# Allegro board SG2042_EVB_V2_0.brd (continued)
## Routing (per net, layer and track width the routed paths; a pad name or vN(x,y) marks a point on that pad's centre or on a via; arc(x,y) is an arc through that point) (continued)
DDR2_DQS3_N: length 66.7
  TOP w0.173: U1.AR7 v1(94.75,214.05)
  ART05 w0.112: v1(94.75,214.05) 95.23,214.05 95.34,214.16 95.34,214.33 95.23,214.44 86.1,214.44 85.72,214.82 85.7,214.82
  ART05 w0.117: 85.7,214.82 77.77,222.75 77.77,237.86 67.09,248.55 66.23,248.55 arc(65.8,248.64) 65.43,248.88 65.24,249.08 arc(64.88,249.32) 64.45,249.4 64.42,249.4 arc(64,249.32) 63.64,249.08 63.51,248.95 arc(63.07,248.66) 62.55,248.55 62.52,248.55 arc(62,248.66) 61.56,248.95 61.46,249.05 arc(61.07,249.31) 60.62,249.4 59.74,249.4 arc(59.3,249.31) 58.92,249.06 58.84,248.98 arc(58.39,248.68) 57.85,248.57 56.87,248.57 arc(56.39,248.67) 55.97,248.94 55.67,249.25 arc(55.56,249.38) 55.48,249.54 J3.185
DDR2_DQS3_P: length 66.6
  TOP w0.173: U1.AR8 v1(95.75,214.05)
  ART05 w0.112: v1(95.75,214.05) 95.57,214.23 95.57,214.42 95.33,214.66 86.19,214.66 85.87,214.98 85.87,215
  ART05 w0.117: 85.87,215 78.02,222.85 78.02,237.97 67.19,248.8 66.23,248.8 arc(65.89,248.86) 65.6,249.06 65.41,249.25 arc(64.97,249.54) 64.45,249.65 64.42,249.65 arc(63.9,249.54) 63.46,249.25 63.34,249.12 arc(62.98,248.88) 62.55,248.8 62.52,248.8 arc(62.1,248.88) 61.74,249.12 61.63,249.23 arc(61.17,249.54) 60.62,249.65 59.74,249.65 arc(59.21,249.54) 58.75,249.24 58.67,249.15 arc(58.29,248.9) 57.85,248.81 56.87,248.81 arc(56.48,248.89) 56.15,249.11 55.85,249.41 arc(55.79,249.53) 55.81,249.67 55.86,249.76 arc(56,249.87) 56.17,249.85 J3.186
DDR2_DQS4_N: length 38.5
  TOP w0.173: U1.BK1 v1(88.75,199.05)
  ART14 w0.122: v1(88.75,199.05) 89.21,199.05 89.34,198.92 89.34,198.78 89.22,198.66 88.29,198.66 87.47,197.83 87.13,197.83 87.1,197.86 87.07,197.86
  ART14 w0.135: 87.07,197.86 75.45,197.86 72,194.41 66.31,194.41 arc(65.9,194.49) 65.55,194.72 65.41,194.86 arc(64.97,195.15) 64.45,195.26 64.42,195.26 arc(63.9,195.15) 63.46,194.86 63.33,194.73 arc(62.97,194.49) 62.55,194.41 62.52,194.41 arc(62.1,194.49) 61.74,194.73 61.63,194.84 arc(61.17,195.15) 60.62,195.26 59.75,195.26 arc(59.2,195.15) 58.74,194.84 58.65,194.75 arc(58.27,194.49) 57.82,194.41 56.41,194.41 arc(56.28,194.44) 56.19,194.54 56.17,194.57 arc(56.16,194.72) 56.26,194.84 J3.244
DDR2_DQS4_P: length 38.4
  TOP w0.173: U1.BK2 v1(89.75,199.05)
  ART14 w0.122: 87.07,197.6 87.1,197.6 87.13,197.62 87.56,197.62 88.38,198.44 89.31,198.44 89.55,198.69 89.55,198.85 v1(89.75,199.05)
  ART14 w0.135: 87.07,197.6 75.56,197.6 72.11,194.14 66.31,194.14 arc(65.8,194.25) 65.37,194.53 65.23,194.67 arc(64.87,194.91) 64.45,194.99 64.42,194.99 arc(64,194.91) 63.64,194.67 63.51,194.54 arc(63.07,194.25) 62.55,194.14 62.52,194.14 arc(62,194.25) 61.56,194.54 61.45,194.65 arc(61.07,194.91) 60.62,194.99 59.75,194.99 arc(59.3,194.91) 58.92,194.65 58.84,194.56 arc(58.37,194.25) 57.82,194.14 56.32,194.14 arc(56.14,194.15) 55.95,194.17 J3.245
DDR2_DQS5_N: length 46.3
  TOP w0.173: U1.BP4 v1(91.75,195.05)
  ART14 w0.122: v1(91.75,195.05) 91.75,195.32 91.63,195.44 91.47,195.44 91.36,195.33 91.36,191.96 90.98,191.59 90.98,191.55
  ART14 w0.135: 90.98,191.55 88.23,188.8 75.86,188.8 71,183.94 66.35,183.94 arc(65.8,184.05) 65.34,184.36 65.23,184.47 arc(64.87,184.71) 64.45,184.79 64.42,184.79 arc(64,184.71) 63.64,184.47 63.51,184.34 arc(63.07,184.05) 62.55,183.94 62.52,183.94 arc(62,184.05) 61.56,184.34 61.45,184.45 arc(61.07,184.71) 60.62,184.79 59.75,184.79 arc(59.3,184.71) 58.92,184.45 58.84,184.36 arc(58.37,184.05) 57.82,183.94 56.88,183.94 arc(56.4,184.04) 55.99,184.32 55.69,184.61 arc(55.69,184.62) 55.68,184.62 55.68,184.62 arc(55.55,184.78) 55.46,184.97 J3.255
DDR2_DQS5_P: length 46.3
  TOP w0.173: U1.BN4 v1(91.75,196.05)
  ART14 w0.122: v1(91.75,196.05) 91.75,195.81 91.59,195.66 91.39,195.66 91.14,195.41 91.14,192.05 90.83,191.73 90.79,191.73
  ART14 w0.135: J3.256 56.15,185.26 arc(55.98,185.28) 55.85,185.17 55.82,185.11 arc(55.79,184.95) 55.86,184.81 56.17,184.5 arc(56.5,184.28) 56.89,184.21 57.82,184.21 arc(58.27,184.29) 58.65,184.55 58.74,184.64 arc(59.2,184.95) 59.75,185.06 60.62,185.06 arc(61.17,184.95) 61.63,184.64 61.74,184.53 arc(62.1,184.29) 62.52,184.21 62.55,184.21 arc(62.97,184.29) 63.33,184.53 63.46,184.66 arc(63.9,184.95) 64.42,185.06 64.45,185.06 arc(64.97,184.95) 65.41,184.66 65.52,184.55 arc(65.9,184.29) 66.35,184.21 70.89,184.21 75.75,189.06 88.12,189.06 90.79,191.73
DDR2_DQS6_N: length 52.9
  TOP w0.173: U1.BK5 v1(92.75,199.05)
  ART05 w0.112: v1(92.75,199.05) 93.12,199.05 93.23,198.94 93.23,198.78 93.11,198.66 88.24,198.66 88.15,198.75 87.31,198.75 87.3,198.76 87.27,198.76
  ART05 w0.117: J3.266 56.26,176.14 arc(56.16,176.03) 56.17,175.87 56.2,175.83 arc(56.29,175.73) 56.42,175.7 57.82,175.7 arc(58.27,175.79) 58.66,176.05 58.74,176.13 arc(59.21,176.44) 59.76,176.55 60.62,176.55 arc(61.17,176.44) 61.63,176.13 61.74,176.02 arc(62.1,175.78) 62.52,175.7 62.55,175.7 arc(62.98,175.78) 63.34,176.02 63.46,176.15 arc(63.9,176.44) 64.42,176.55 64.45,176.55 arc(64.97,176.44) 65.41,176.15 65.54,176.02 arc(65.9,175.78) 66.31,175.7 67.04,175.7 70.44,179.09 70.44,183.92 85.29,198.76 87.27,198.76
DDR2_DQS6_P: length 53
  TOP w0.173: U1.BK6 v1(93.75,199.05)
  ART05 w0.112: 87.27,198.52 87.3,198.52 87.31,198.53 88.06,198.53 88.15,198.44 93.2,198.44 93.45,198.69 93.45,198.75 v1(93.75,199.05)
  ART05 w0.117: 87.27,198.52 85.39,198.52 70.68,183.81 70.68,178.99 67.15,175.45 66.31,175.45 arc(65.8,175.55) 65.37,175.84 65.24,175.98 arc(64.88,176.22) 64.45,176.3 64.42,176.3 arc(64,176.22) 63.64,175.98 63.51,175.85 arc(63.07,175.56) 62.55,175.45 62.52,175.45 arc(62,175.56) 61.56,175.85 61.46,175.95 arc(61.07,176.21) 60.62,176.3 59.76,176.3 arc(59.3,176.21) 58.91,175.95 58.83,175.87 arc(58.37,175.56) 57.82,175.45 56.29,175.45 arc(56.14,175.46) 55.99,175.47 J3.267
DDR2_DQS7_N: length 61.5
  TOP w0.173: U1.BN9 v1(96.75,196.05)
  ART05 w0.112: 96.64,191.6 96.64,191.63 96.63,191.64 96.63,192.05 96.36,192.31 96.36,194.23 96.57,194.44 97.02,194.44 97.36,194.78 97.36,195.6 97.1,195.86 96.94,195.86 v1(96.75,196.05)
  ART05 w0.117: 96.64,191.6 96.64,190.14 71.75,165.25 66.35,165.25 arc(65.81,165.36) 65.34,165.67 65.24,165.78 arc(64.88,166.02) 64.45,166.1 64.42,166.1 arc(64,166.02) 63.64,165.78 63.51,165.65 arc(63.07,165.36) 62.55,165.25 62.52,165.25 arc(62,165.36) 61.56,165.65 61.46,165.75 arc(61.07,166.01) 60.62,166.1 59.76,166.1 arc(59.3,166.01) 58.91,165.75 58.83,165.67 arc(58.37,165.36) 57.82,165.25 56.9,165.25 arc(56.4,165.35) 55.98,165.63 55.67,165.95 arc(55.56,166.08) 55.48,166.24 J3.277
DDR2_DQS7_P: length 61.4
  TOP w0.173: U1.BP9 v1(96.75,195.05)
  ART05 w0.112: 96.39,191.6 96.39,191.63 96.4,191.64 96.4,191.95 96.14,192.22 96.14,194.32 96.48,194.66 96.92,194.66 97.14,194.88 97.14,195.51 97.01,195.64 96.69,195.64 96.58,195.53 96.58,195.22 v1(96.75,195.05)
  ART05 w0.117: 96.39,191.6 96.39,190.24 71.65,165.5 66.35,165.5 arc(65.9,165.59) 65.51,165.85 65.41,165.95 arc(64.97,166.24) 64.45,166.35 64.42,166.35 arc(63.9,166.24) 63.46,165.95 63.34,165.82 arc(62.98,165.58) 62.55,165.5 62.52,165.5 arc(62.1,165.58) 61.74,165.82 61.63,165.93 arc(61.17,166.24) 60.62,166.35 59.76,166.35 arc(59.21,166.24) 58.74,165.93 58.66,165.85 arc(58.27,165.59) 57.82,165.5 56.9,165.5 arc(56.5,165.58) 56.16,165.81 55.86,166.11 arc(55.79,166.23) 55.82,166.36 55.87,166.47 arc(56,166.57) 56.16,166.56 J3.278
DDR2_ECC_DM_N: length 67.3
  TOP w0.173: U1.AY4 v1(91.75,209.05)
  ART14 w0.122: v1(91.75,209.05) 91.44,209.36 91.44,209.64 91.36,209.72 91.36,210.31 91.01,210.66 86.09,210.66 85.82,210.38 85.37,210.38 85.35,210.4 85.32,210.4
  ART14 w0.135: 85.32,210.4 82.77,210.4 75.65,217.53 75.65,233.56 67.2,242.01 66.3,242.01 arc(65.9,242.09) 65.56,242.31 65.41,242.46 arc(64.97,242.75) 64.45,242.86 64.42,242.86 arc(63.9,242.75) 63.46,242.46 63.33,242.33 arc(62.97,242.09) 62.55,242.01 62.52,242.01 arc(62.1,242.09) 61.74,242.33 61.64,242.44 arc(61.17,242.75) 60.62,242.86 60.36,242.86 arc(59.81,242.75) 59.35,242.44 59.26,242.35 arc(58.89,242.1) 58.44,242.01 56.97,242.01 arc(56.41,241.9) 55.94,241.58 55.8,241.45 arc(55.47,241.23) 55.07,241.15 54.94,241.15 arc(54.45,241.05) 54.03,240.77 53.92,240.66 arc(53.56,240.42) 53.14,240.33 53.03,240.33 arc(52.66,240.41) 52.34,240.62 52.02,240.94 arc(51.97,241.05) 51.99,241.16 52.02,241.22 arc(52.19,241.36) 52.4,241.34 J3.52
DDR2_ECC_DM_P: length 67.2
  TOP w0.173: U1.AY3 v1(90.75,209.05)
  ART14 w0.122: v1(90.75,209.05) 91.1,209.05 91.23,209.17 91.23,209.55 91.14,209.63 91.14,210.23 90.93,210.44 86.18,210.44 85.91,210.17 85.37,210.17 85.35,210.14 85.32,210.14
  ART14 w0.135: 85.32,210.14 82.66,210.14 75.39,217.42 75.39,233.45 67.09,241.74 66.3,241.74 arc(65.8,241.84) 65.38,242.13 65.23,242.27 arc(64.87,242.51) 64.45,242.59 64.42,242.59 arc(64,242.51) 63.64,242.27 63.51,242.14 arc(63.07,241.85) 62.55,241.74 62.52,241.74 arc(62,241.85) 61.56,242.14 61.45,242.25 arc(61.07,242.51) 60.62,242.59 60.36,242.59 arc(59.91,242.51) 59.54,242.25 59.45,242.17 arc(58.99,241.86) 58.44,241.75 56.97,241.75 arc(56.51,241.66) 56.12,241.4 55.99,241.27 arc(55.57,240.98) 55.07,240.89 54.94,240.89 arc(54.55,240.81) 54.21,240.58 54.1,240.47 arc(53.66,240.18) 53.14,240.07 53.03,240.07 arc(52.56,240.17) 52.16,240.43 51.84,240.76 arc(51.74,240.87) 51.68,241.01 J3.51
DDR2_ECC_DQ0: length 67.1
  TOP w0.173: U1.AU3 v1(90.75,212.05)
  ART14 w0.15: J3.49 53.08,243.58 arc(53.62,243.68) 54.08,243.99 54.15,244.06 arc(54.55,244.33) 55.02,244.42 55.05,244.42 arc(55.52,244.33) 55.92,244.06 56,243.99 arc(56.46,243.68) 57,243.58 57.07,243.58 arc(57.65,243.69) 58.14,244.02 59.94,245.81 arc(60.28,246.04) 60.69,246.12 60.72,246.12 arc(61.13,246.04) 61.47,245.81 61.65,245.64 arc(62.05,245.37) 62.52,245.28 62.55,245.28 arc(63.02,245.37) 63.42,245.64 63.55,245.76 arc(63.95,246.03) 64.42,246.12 64.45,246.12 arc(64.92,246.03) 65.32,245.76 65.4,245.69 arc(65.86,245.38) 66.4,245.28 68.62,245.28 77.32,236.58 77.32,218.22 83.46,212.07 87.9,212.07 88.34,212.52 90.28,212.52 v1(90.75,212.05)
DDR2_ECC_DQ1: length 67.3
  TOP w0.173: U1.AV4 v1(91.75,211.05)
  ART14 w0.15: v1(91.75,211.05) 91.28,211.53 88.34,211.53 88.22,211.41 83.19,211.41 76.66,217.94 76.66,234.04 70.5,240.19 70.5,240.4 71.28,241.18 71.28,241.39 70.98,241.7 70.77,241.7 69.99,240.92 69.78,240.92 69.47,241.22 69.47,241.43 70.25,242.21 70.25,242.42 69.95,242.72 69.74,242.72 68.96,241.95 68.75,241.95 68.44,242.25 68.44,242.46 69.22,243.24 69.22,243.45 68.92,243.75 68.71,243.75 67.93,242.98 67.72,242.98 67.12,243.58 66.4,243.58 arc(65.86,243.68) 65.4,243.99 65.32,244.06 arc(64.92,244.33) 64.45,244.42 64.42,244.42 arc(63.95,244.33) 63.55,244.06 63.42,243.94 arc(63.02,243.67) 62.55,243.58 62.52,243.58 arc(62.05,243.67) 61.65,243.94 61.58,244.01 arc(61.12,244.32) 60.58,244.42 60.54,244.42 arc(59.99,244.32) 59.53,244.01 58.75,243.23 arc(58.19,242.86) 57.53,242.73 J3.194
DDR2_ECC_DQ2: length 72.5
  TOP w0.173: U1.AU2 v1(89.75,212.05)
  BOTTOM w0.173: J3.56 54.98,237.63 arc(55.52,237.73) 55.98,238.04 56,238.06 arc(56.46,238.37) 57,238.48 57.78,238.48 arc(58.32,238.58) 58.77,238.89 58.8,238.91 arc(59.26,239.22) 59.8,239.32 60.58,239.32 arc(61.12,239.22) 61.57,238.91 61.65,238.83 arc(62.05,238.57) 62.52,238.48 62.55,238.48 arc(63.02,238.57) 63.42,238.83 63.55,238.97 arc(63.95,239.23) 64.42,239.32 64.45,239.32 arc(64.92,239.23) 65.32,238.97 65.4,238.88 arc(65.86,238.58) 66.39,238.48 69.79,238.48 73.71,234.55 73.71,233.39 73.89,233.21 74.94,233.21 75.11,233.04 75.11,232.61 74.94,232.44 73.89,232.44 73.71,232.26 73.71,231.83 73.89,231.66 74.94,231.66 75.11,231.49 75.11,231.05 74.94,230.88 73.89,230.88 73.71,230.71 73.71,230.28 73.89,230.1 74.94,230.1 75.11,229.93 75.11,229.5 74.94,229.33 73.89,229.33 73.71,229.15 73.71,228.72 73.89,228.55 74.94,228.55 75.11,228.38 75.11,227.94 74.94,227.77 73.89,227.77 73.71,227.6 73.71,227.17 73.89,226.99 74.94,226.99 75.11,226.82 75.11,226.39 74.94,226.22 73.89,226.22 73.71,226.05 73.71,216.57 78.77,211.51 89.21,211.51 v1(89.75,212.05)
DDR2_ECC_DQ3: length 72.2
  TOP w0.173: U1.AV2 v1(89.75,211.05)
  BOTTOM w0.173: J3.201 57.78,236.77 arc(58.32,236.88) 58.78,237.19 58.8,237.21 arc(59.26,237.52) 59.8,237.62 60.58,237.62 arc(61.12,237.52) 61.57,237.21 61.65,237.13 arc(62.05,236.87) 62.52,236.77 62.55,236.77 arc(63.02,236.87) 63.42,237.13 63.55,237.27 arc(63.95,237.53) 64.42,237.62 64.45,237.62 arc(64.92,237.53) 65.32,237.27 65.41,237.18 arc(65.85,236.88) 66.38,236.77 67.11,236.77 67.64,236.25 67.88,236.25 69.27,237.64 69.52,237.64 69.82,237.34 69.82,237.09 68.43,235.7 68.43,235.46 68.74,235.15 68.98,235.15 70.37,236.54 70.62,236.54 70.92,236.24 70.92,235.99 69.53,234.6 69.53,234.36 69.84,234.05 70.08,234.05 71.47,235.44 71.72,235.44 72.02,235.14 72.02,234.89 70.63,233.5 70.63,233.26 70.93,232.95 71.18,232.95 72.36,234.13 72.6,234.13 72.91,233.82 72.91,233.58 71.73,232.4 71.73,232.16 72.94,230.95 72.94,216.25 78.63,210.55 89.25,210.55 v1(89.75,211.05)
DDR2_ECC_DQ4: length 78.6
  TOP w0.173: U1.BA4 v1(91.75,208.05)
  BOTTOM w0.173: v1(91.75,208.05) 91.25,208.55 91.25,212.25 90.95,212.55 90.6,212.55 90.25,212.9 90.25,213.25 89.95,213.55 81.41,213.55 77,217.96 77,237.81 72.35,242.45 72.35,242.7 72.96,243.3 72.96,243.55 72.66,243.85 72.41,243.85 71.81,243.25 71.56,243.25 71.26,243.55 71.26,243.8 71.86,244.4 71.86,244.65 71.56,244.95 71.31,244.95 70.71,244.35 70.46,244.35 70.16,244.65 70.16,244.9 70.76,245.5 70.76,245.75 70.46,246.05 70.21,246.05 69.61,245.45 69.36,245.45 67.83,246.97 66.39,246.97 arc(65.86,246.87) 65.4,246.56 65.32,246.48 arc(64.92,246.22) 64.45,246.12 64.42,246.12 arc(63.95,246.22) 63.55,246.48 63.42,246.62 arc(63.02,246.88) 62.55,246.97 62.52,246.97 arc(62.05,246.88) 61.65,246.62 61.57,246.54 arc(61.12,246.23) 60.58,246.12 59.8,246.12 arc(59.26,246.02) 58.8,245.71 58.78,245.69 arc(58.32,245.38) 57.78,245.28 57,245.28 arc(56.46,245.38) 56,245.69 55.92,245.77 arc(55.52,246.03) 55.06,246.12 55.02,246.12 arc(54.55,246.03) 54.15,245.77 54.08,245.69 arc(53.62,245.38) 53.08,245.28 J3.47
DDR2_ECC_DQ5: length 77.2
  TOP w0.173: U1.BA2 v1(89.75,208.05)
  BOTTOM w0.173: v1(89.75,208.05) U1.BA2 90.25,212.19 89.89,212.55 81.31,212.55 76.22,217.63 76.22,237.48 74.17,239.54 73.93,239.54 73.13,238.74 72.89,238.74 72.58,239.05 72.58,239.29 73.38,240.09 73.38,240.33 73.07,240.64 72.83,240.64 72.03,239.84 71.79,239.84 71.48,240.15 71.48,240.39 72.28,241.19 72.28,241.43 71.97,241.74 71.73,241.74 70.93,240.94 70.69,240.94 70.38,241.25 70.38,241.49 71.18,242.29 71.18,242.53 70.87,242.84 70.63,242.84 69.83,242.04 69.59,242.04 69.28,242.35 69.28,242.59 70.08,243.39 70.08,243.63 69.77,243.94 69.53,243.94 68.74,243.14 68.49,243.14 68.19,243.45 68.19,243.69 68.98,244.48 68.98,244.73 68.43,245.28 66.4,245.28 arc(65.86,245.17) 65.4,244.86 65.32,244.78 arc(64.92,244.52) 64.45,244.42 64.42,244.42 arc(63.95,244.52) 63.55,244.78 63.42,244.92 arc(63.02,245.18) 62.55,245.28 62.52,245.28 arc(62.05,245.18) 61.65,244.92 61.57,244.84 arc(61.12,244.53) 60.58,244.43 J3.192
DDR2_ECC_DQ6: length 69.9
  TOP w0.173: U1.AY1 v1(88.75,209.05)
  ART14 w0.15: v1(88.75,209.05) 88.41,208.71 86.61,208.71 85.82,207.92 81.74,207.92 73.16,216.49 73.16,226.68 73.01,226.83 72.26,226.83 72.11,226.98 72.11,227.41 72.26,227.56 73.01,227.56 73.16,227.71 73.16,228.14 73.01,228.29 72.26,228.29 72.11,228.44 72.11,228.86 72.26,229.01 73.01,229.01 73.16,229.16 73.16,229.59 73.01,229.74 72.26,229.74 72.11,229.89 72.11,230.32 72.26,230.47 73.01,230.47 73.16,230.62 73.16,231.05 73.01,231.2 72.26,231.2 72.11,231.35 72.11,231.77 72.26,231.92 73.01,231.92 73.16,232.07 73.16,232.53 70.8,234.89 70.59,234.89 70.35,234.66 70.14,234.66 69.83,234.96 69.83,235.17 70.07,235.41 70.07,235.62 69.77,235.92 69.56,235.92 69.32,235.69 69.11,235.69 68.81,235.99 68.81,236.2 69.04,236.44 69.04,236.65 68.74,236.95 68.53,236.95 68.29,236.72 68.08,236.72 67.78,237.02 67.78,237.23 68.01,237.47 68.01,237.68 67.22,238.48 66.4,238.48 arc(65.86,238.58) 65.4,238.89 65.32,238.96 arc(64.92,239.23) 64.45,239.32 64.42,239.32 arc(63.95,239.23) 63.55,238.96 63.42,238.84 arc(63.02,238.57) 62.55,238.48 62.52,238.48 arc(62.05,238.57) 61.65,238.84 61.58,238.91 arc(61.12,239.22) 60.58,239.32 60.48,239.32 arc(59.94,239.22) 59.48,238.91 59.46,238.89 arc(59,238.58) 58.46,238.48 57,238.48 arc(56.46,238.58) 56,238.89 55.98,238.91 arc(55.52,239.22) 54.98,239.33 J3.54
DDR2_ECC_DQ7: length 69.7
  TOP w0.173: U1.BA1 v1(88.75,208.05)
  ART14 w0.15: v1(88.75,208.05) 86.92,208.05 86.13,207.26 81.47,207.26 72.5,216.22 72.5,217.22 72.35,217.37 71.5,217.37 71.35,217.52 71.35,217.94 71.5,218.09 72.35,218.09 72.5,218.24 72.5,218.67 72.35,218.82 71.5,218.82 71.35,218.97 71.35,219.4 71.5,219.55 72.35,219.55 72.5,219.7 72.5,220.13 72.35,220.28 71.5,220.28 71.35,220.43 71.35,220.86 71.5,221.01 72.35,221.01 72.5,221.16 72.5,221.58 72.35,221.73 71.5,221.73 71.35,221.88 71.35,222.31 71.5,222.46 72.35,222.46 72.5,222.61 72.5,223.04 72.35,223.19 71.5,223.19 71.35,223.34 71.35,223.77 71.5,223.92 72.35,223.92 72.5,224.07 72.5,224.49 72.35,224.64 71.5,224.64 71.35,224.79 71.35,225.22 71.5,225.37 72.35,225.37 72.5,225.52 72.5,225.95 72.35,226.1 71.5,226.1 71.35,226.25 71.35,232.51 67.09,236.77 66.4,236.77 arc(65.86,236.88) 65.4,237.19 65.32,237.26 arc(64.92,237.53) 64.45,237.62 64.42,237.62 arc(63.95,237.53) 63.55,237.26 63.42,237.14 arc(63.02,236.87) 62.55,236.77 62.52,236.77 arc(62.05,236.87) 61.65,237.14 61.58,237.21 arc(61.12,237.52) 60.58,237.62 60.48,237.62 arc(59.94,237.52) 59.48,237.21 59.46,237.19 arc(59,236.88) 58.46,236.77 57.26,236.77 arc(56.48,236.93) 55.81,237.38 55.52,237.66 arc(55.28,238.04) J3.199
DDR2_ECC_DQS_N: length 59.2
  TOP w0.173: U1.AW1 v1(88.75,210.05)
  ART14 w0.122: 85.32,209.19 85.35,209.19 85.37,209.16 85.82,209.16 86.31,209.66 89.21,209.66 89.33,209.78 89.33,209.93 89.21,210.05 v1(88.75,210.05)
  ART14 w0.135: 85.32,209.19 82.27,209.19 74.43,217.02 74.43,217.81 74.43,233.05 67.18,240.31 66.33,240.31 arc(65.9,240.39) 65.53,240.64 65.41,240.76 arc(64.97,241.05) 64.45,241.16 64.42,241.16 arc(63.9,241.05) 63.46,240.76 63.33,240.63 arc(62.97,240.39) 62.55,240.31 62.52,240.31 arc(62.1,240.39) 61.74,240.63 61.63,240.74 arc(61.17,241.05) 60.62,241.16 60.36,241.16 arc(59.81,241.05) 59.35,240.74 59.26,240.65 arc(58.88,240.39) 58.43,240.31 56.41,240.31 arc(56.27,240.34) 56.17,240.45 56.17,240.46 arc(56.15,240.62) 56.26,240.74 J3.196
DDR2_ECC_DQS_P: length 59.1
  TOP w0.173: U1.AW2 v1(89.75,210.05)
  ART14 w0.122: 85.32,208.92 85.35,208.92 85.37,208.95 85.91,208.95 86.4,209.44 89.3,209.44 89.54,209.69 89.54,209.84 v1(89.75,210.05)
  ART14 w0.135: 85.32,208.92 82.16,208.92 74.17,216.91 74.17,217.81 74.17,232.94 67.07,240.04 66.33,240.04 arc(65.8,240.15) 65.35,240.45 65.23,240.57 arc(64.87,240.81) 64.45,240.89 64.42,240.89 arc(64,240.81) 63.64,240.57 63.51,240.44 arc(63.07,240.15) 62.55,240.04 62.52,240.04 arc(62,240.15) 61.56,240.44 61.45,240.55 arc(61.07,240.81) 60.62,240.89 60.36,240.89 arc(59.91,240.81) 59.53,240.55 59.44,240.46 arc(58.98,240.15) 58.43,240.04 56.32,240.04 arc(56.14,240.05) 55.95,240.07 J3.197
DDR2_EVENT_N: length 84.6
  TOP w0.102: v1(49.58,213) R9.1 49.79,213.83 J3.78 ; R2388.2 v1(71.17,157.86)
  BOTTOM w0.102: v1(49.58,213) 49.4,212.83 49.4,157.25 51.92,154.74 68.05,154.74 v1(71.17,157.86)
DDR2_EVENT_N_L: length 1.8
  TOP w0.102: R599.2 71.49,147.61 U2010.4
DDR2_MA0: length 54.9
  TOP w0.173: U1.BD5 v1(92.75,205.05)
  ART07 w0.135: J3.79 53.08,212.98 arc(53.62,212.87) 54.08,212.56 54.15,212.49 arc(54.55,212.22) 55.02,212.13 55.05,212.13 arc(55.52,212.22) 55.92,212.49 56,212.56 arc(56.46,212.87) 57,212.97 57.78,212.97 arc(58.32,212.87) 58.78,212.56 58.8,212.54 arc(59.26,212.23) 59.8,212.13 60.57,212.13 arc(61.12,212.23) 61.58,212.54 61.65,212.61 arc(62.05,212.88) 62.52,212.97 62.55,212.97 arc(63.02,212.88) 63.42,212.61 63.55,212.49 arc(63.95,212.22) 64.42,212.13 64.45,212.13 arc(64.92,212.22) 65.32,212.49 65.51,212.67 arc(65.84,212.9) 66.24,212.97 69.63,212.97 70.46,212.14 70.46,211.95 69.82,211.32 69.82,211.13 70.12,210.83 70.31,210.83 70.94,211.47 71.13,211.47 71.43,211.17 71.43,210.98 70.79,210.35 70.79,210.16 71.09,209.86 71.28,209.86 71.91,210.5 72.1,210.5 72.4,210.2 72.4,210.01 71.76,209.38 71.76,209.19 72.06,208.89 72.25,208.89 72.88,209.53 73.07,209.53 73.37,209.23 73.37,209.04 72.73,208.41 72.73,208.22 73.03,207.92 73.22,207.92 73.85,208.56 74.04,208.56 77.05,205.55 92.25,205.55 v1(92.75,205.05)
DDR2_MA1: length 55.7
  TOP w0.173: U1.BC6 v1(93.75,206.05)
  ART07 w0.135: J3.72 54.99,224.03 arc(55.52,224.13) 55.97,224.43 55.99,224.45 arc(56.44,224.75) 56.98,224.86 57.23,224.86 arc(57.97,224.71) 58.6,224.29 60.37,222.53 arc(60.59,222.38) 60.85,222.32 60.88,222.32 arc(61.14,222.27) 61.36,222.12 61.65,221.84 arc(62.05,221.57) 62.52,221.48 62.55,221.48 arc(63.02,221.38) 63.42,221.11 63.55,220.99 arc(63.95,220.72) 64.42,220.62 64.45,220.62 arc(64.92,220.53) 65.32,220.26 65.4,220.19 arc(65.86,219.88) 66.4,219.78 67.09,219.78 67.78,219.08 67.78,218.89 67.27,218.39 67.27,218.2 67.57,217.9 67.76,217.9 68.27,218.41 68.46,218.41 68.75,218.11 68.75,217.92 68.24,217.42 68.24,217.23 68.54,216.93 68.73,216.93 69.24,217.44 69.43,217.44 69.72,217.14 69.72,216.95 69.22,216.45 69.22,216.26 69.51,215.96 69.7,215.96 70.21,216.47 70.4,216.47 70.69,216.17 70.69,215.98 70.19,215.48 70.19,215.29 70.48,214.99 70.67,214.99 71.18,215.5 71.37,215.5 80.32,206.55 93.25,206.55 v1(93.75,206.05)
DDR2_MA2: length 53
  TOP w0.173: U1.BE5 v1(92.75,204.05)
  ART14 w0.15: v1(92.75,204.05) 92.25,204.55 88.37,204.55 88.11,204.29 80.23,204.29 68.38,216.14 68.38,217.05 68.23,217.2 67.76,217.2 67.61,217.35 67.61,217.78 67.76,217.93 68.23,217.93 68.38,218.08 68.38,218.51 68.23,218.66 67.76,218.66 67.61,218.81 67.61,219.24 67.76,219.39 68.23,219.39 68.38,219.54 68.38,219.96 68.23,220.11 67.76,220.11 67.61,220.26 67.61,220.69 67.76,220.84 68.23,220.84 68.38,220.99 68.38,221.89 67.1,223.18 66.4,223.18 arc(65.86,223.28) 65.4,223.59 65.32,223.66 arc(64.92,223.93) 64.45,224.02 64.42,224.02 arc(63.95,223.93) 63.55,223.66 63.42,223.54 arc(63.02,223.27) 62.55,223.18 62.52,223.18 arc(62.05,223.08) 61.65,222.81 61.58,222.74 arc(61.12,222.43) 60.57,222.32 59.68,222.32 arc(58.58,222.54) 57.65,223.16 J3.216
DDR2_MA3: length 57.4
  TOP w0.173: U1.BD6 v1(93.75,205.05)
  ART14 w0.15: J3.71 53.08,224.88 arc(53.62,224.77) 54.08,224.46 54.15,224.39 arc(54.55,224.12) 55.02,224.02 55.05,224.02 arc(55.52,224.12) 55.92,224.39 56,224.46 arc(56.46,224.77) 57,224.88 57.78,224.88 arc(58.32,224.98) 58.78,225.29 58.8,225.31 arc(59.26,225.62) 59.8,225.72 60.2,225.72 arc(61.09,225.55) 61.84,225.05 61.92,224.96 arc(62.54,224.71) 63.15,224.96 63.54,225.36 arc(63.95,225.63) 64.43,225.72 64.46,225.72 arc(64.94,225.63) 65.35,225.36 65.42,225.29 arc(65.88,224.98) 66.42,224.88 67.1,224.88 68.87,223.1 68.87,216.35 80.44,204.78 87.79,204.78 88.56,205.55 93.25,205.55 v1(93.75,205.05)
DDR2_MA4: length 58.5
  TOP w0.173: U1.BA6 v1(93.75,208.05)
  ART05 w0.135: J3.214 57.01,225.5 arc(58.65,224.41) 60.57,224.02 arc(61.12,223.92) 61.58,223.61 61.65,223.54 arc(62.05,223.27) 62.52,223.18 62.55,223.18 arc(63.02,223.08) 63.42,222.81 63.55,222.69 arc(63.95,222.42) 64.42,222.32 64.45,222.32 arc(64.92,222.23) 65.32,221.96 65.4,221.89 arc(65.86,221.58) 66.4,221.48 67.09,221.48 67.86,220.71 68.05,220.71 68.77,221.44 68.96,221.44 69.26,221.14 69.26,220.95 68.53,220.23 68.53,220.04 68.83,219.74 69.02,219.74 69.74,220.47 69.93,220.47 70.23,220.17 70.23,219.98 69.5,219.26 69.5,219.07 69.8,218.77 69.99,218.77 70.71,219.5 70.9,219.5 71.2,219.2 71.2,219.01 70.47,218.29 70.47,218.1 70.77,217.8 70.96,217.8 71.68,218.53 71.87,218.53 72.17,218.23 72.17,218.04 71.44,217.32 71.44,217.13 71.74,216.83 71.93,216.83 72.65,217.56 72.84,217.56 73.14,217.26 73.14,217.07 72.41,216.35 72.41,216.16 72.71,215.86 72.9,215.86 73.62,216.59 73.81,216.59 74.11,216.29 74.11,216.1 73.38,215.38 73.38,215.19 81.02,207.55 93.25,207.55 v1(93.75,208.05)
DDR2_MA5: length 59.6
  TOP w0.173: U1.AY7 v1(94.75,209.05)
  ART05 w0.135: J3.213 57.77,226.58 arc(58.32,226.47) 58.78,226.16 58.8,226.14 arc(59.26,225.83) 59.8,225.72 60.57,225.72 arc(61.12,225.62) 61.58,225.31 61.65,225.24 arc(62.05,224.97) 62.52,224.88 62.55,224.88 arc(63.02,224.78) 63.42,224.51 63.55,224.39 arc(63.95,224.12) 64.42,224.02 64.45,224.02 arc(64.92,223.93) 65.32,223.66 65.4,223.59 arc(65.86,223.28) 66.4,223.18 67.89,223.18 68.4,222.67 68.59,222.67 69.37,223.44 69.56,223.44 69.86,223.15 69.86,222.96 69.08,222.18 69.08,221.99 69.37,221.7 69.56,221.7 70.34,222.47 70.53,222.47 70.83,222.18 70.83,221.99 70.05,221.21 70.05,221.02 70.34,220.73 70.53,220.73 71.31,221.5 71.5,221.5 71.8,221.21 71.8,221.02 71.02,220.24 71.02,220.05 71.31,219.75 71.5,219.75 72.28,220.53 72.47,220.53 72.77,220.24 72.77,220.05 71.99,219.27 71.99,219.08 72.28,218.78 72.47,218.78 73.25,219.56 73.44,219.56 73.74,219.27 73.74,219.08 72.96,218.3 72.96,218.11 82.52,208.55 94.25,208.55 v1(94.75,209.05)
DDR2_MA6: length 54.1
  TOP w0.173: U1.BC1 88.25,206.55 v1(87.75,206.05)
  BOTTOM w0.173: J3.69 53.08,226.58 arc(53.62,226.47) 54.08,226.16 54.15,226.08 arc(54.55,225.82) 55.02,225.72 55.06,225.72 arc(55.52,225.82) 55.92,226.08 56,226.16 arc(56.46,226.47) 57,226.58 57.78,226.58 arc(58.32,226.68) 58.78,226.99 58.8,227.01 arc(59.26,227.32) 59.8,227.42 60.58,227.42 arc(61.12,227.32) 61.57,227.01 61.65,226.93 arc(62.05,226.67) 62.52,226.58 62.55,226.58 arc(63.02,226.67) 63.42,226.93 63.55,227.07 arc(63.95,227.33) 64.42,227.42 64.45,227.42 arc(64.92,227.33) 65.32,227.07 65.4,226.99 arc(65.86,226.68) 66.39,226.58 68.06,226.58 68.69,225.95 68.69,216.45 79.76,205.39 87.09,205.39 v1(87.75,206.05)